# KiCad board Quiver_PT3_Main_PCB.kicad_pcb (continued)
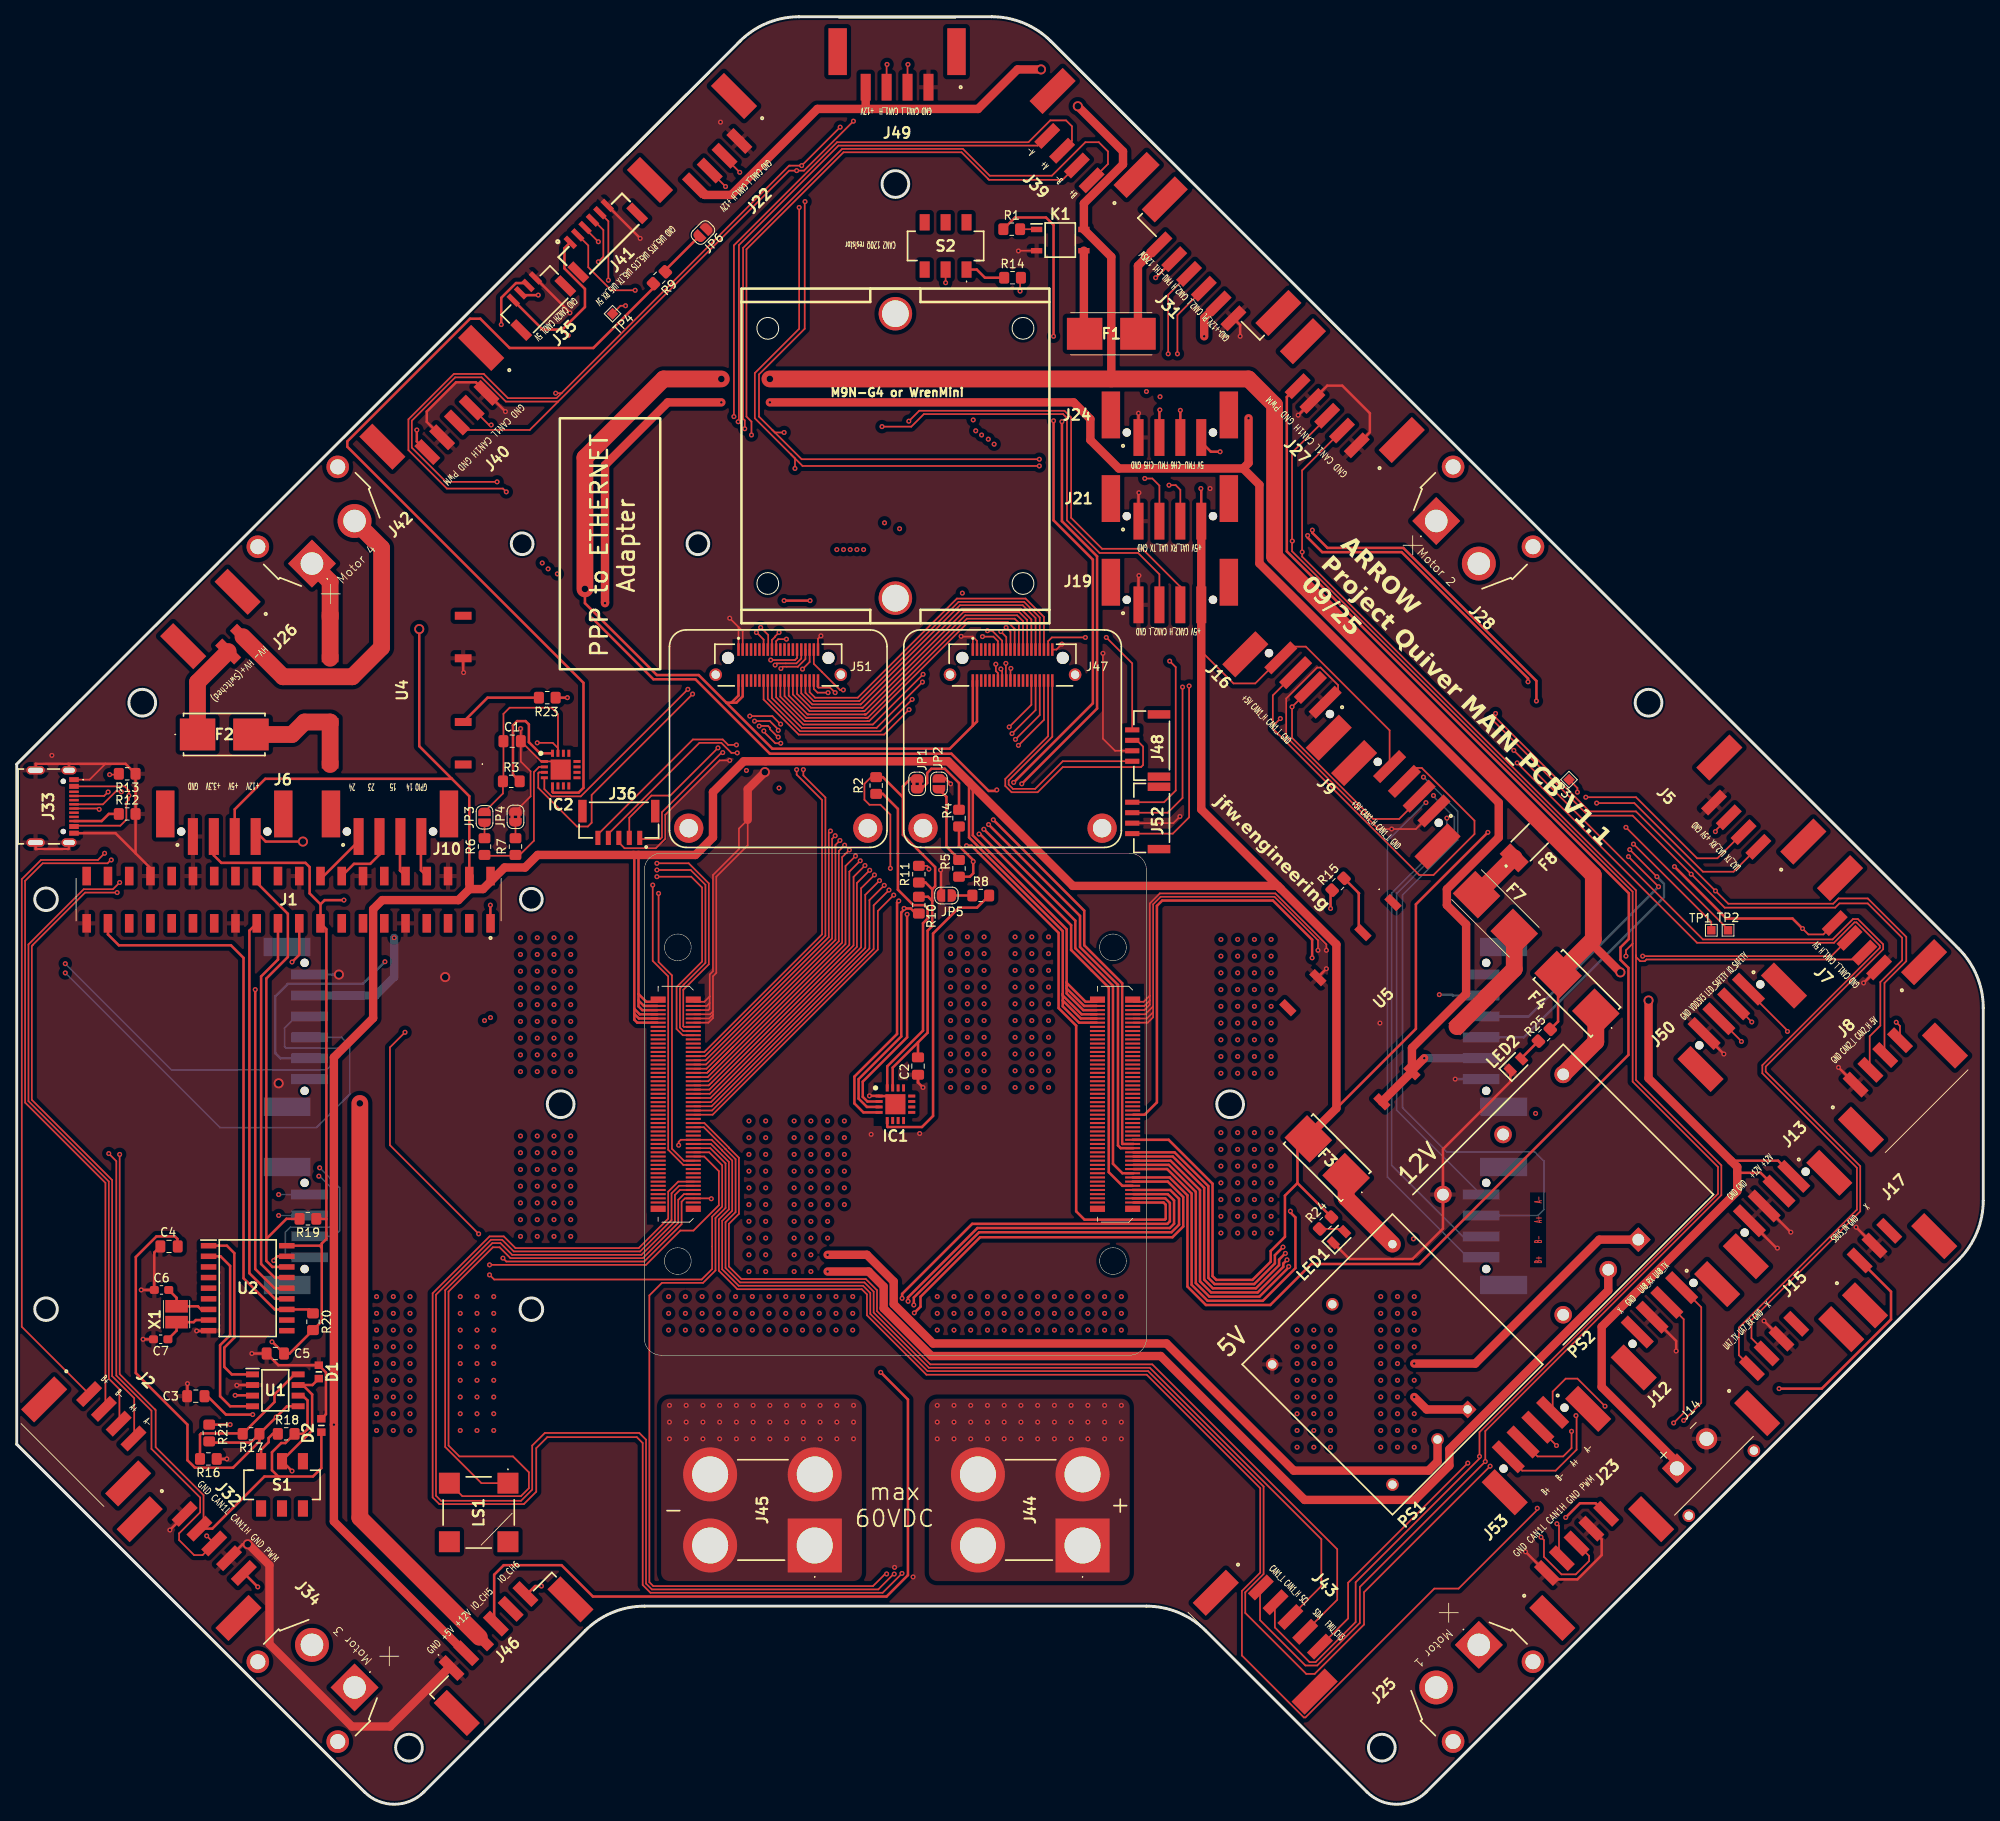
[diagram p0: board, top side]
## Text on the board
B.Silkscreen: GND   +12V_PL   CAN2L   CAN2H  CH8   X | B+     B-     A+     A- | GND   +12V_PL   CAN2L   CAN2H  CH7   X
Top: B+     B-     A+     A-
F.Silkscreen: B+     B-     A+     A- | X   GND   UA8_RX UA8_TX | GND VDD3V3 LED_SAFETY IO_SAFETY | UA7_TX UA7_RX GND   X | GND GND   +12V +12V | GND CAN2_L CAN2_H 5V | SBUS_IN GND     X | GND +12V_PL CAN2_L CAN2_H FMU-CH1 12VSW | UA2_TX UA2_RX +5V GND | GND CAN1_L CAN1_H 5V | +12V   +5V   +3.3V   GND | GPIO 14    15      23     24 | CAN2 120Ω resistor | GND CAN1_L CAN1_H  +12V | +5V CAN2_H CAN2_L GND | +5V UA1_RX UA1_TX GND | 5V FMU-CH6 FMU-CH5 GND | GND CAN2H CAN2L 5V | GND UA5_RTS UA5_CTS UA5_TX UA5_RX 5V | GND CAN1_L CAN1_H +12V | +5V CAN1_H CAN1_L GND | CAN1_L CAN1_H SCL    SDA   FMU_CH3 | GND +5V +12V IO_CH5   IO_CH6 | GND CAN1L CAN1H GND PWM | HV- HV+(Switched) | Motor 1 | Motor 2 | Motor 4 | Motor 3 | - | + | max / 60VDC | 5V | 12V | PPP to ETHERNET / Adapter | jfw.engineering | ARROW / Project Quiver MAIN_PCB V1.1 / 09/25
